# Altium PCB Arribada-PMP-PCB.PcbDoc (part 3 of 3)
Units mm, origin at the board's own origin, x right, y up, seen from the top; angles counter-clockwise.
Board outline 176.52 x 112.75 mm, 2 copper layers (Top Layer, Bottom Layer), stack 1.671 mm thick; 155 components, 107 nets, 633 pads, 984 vias.
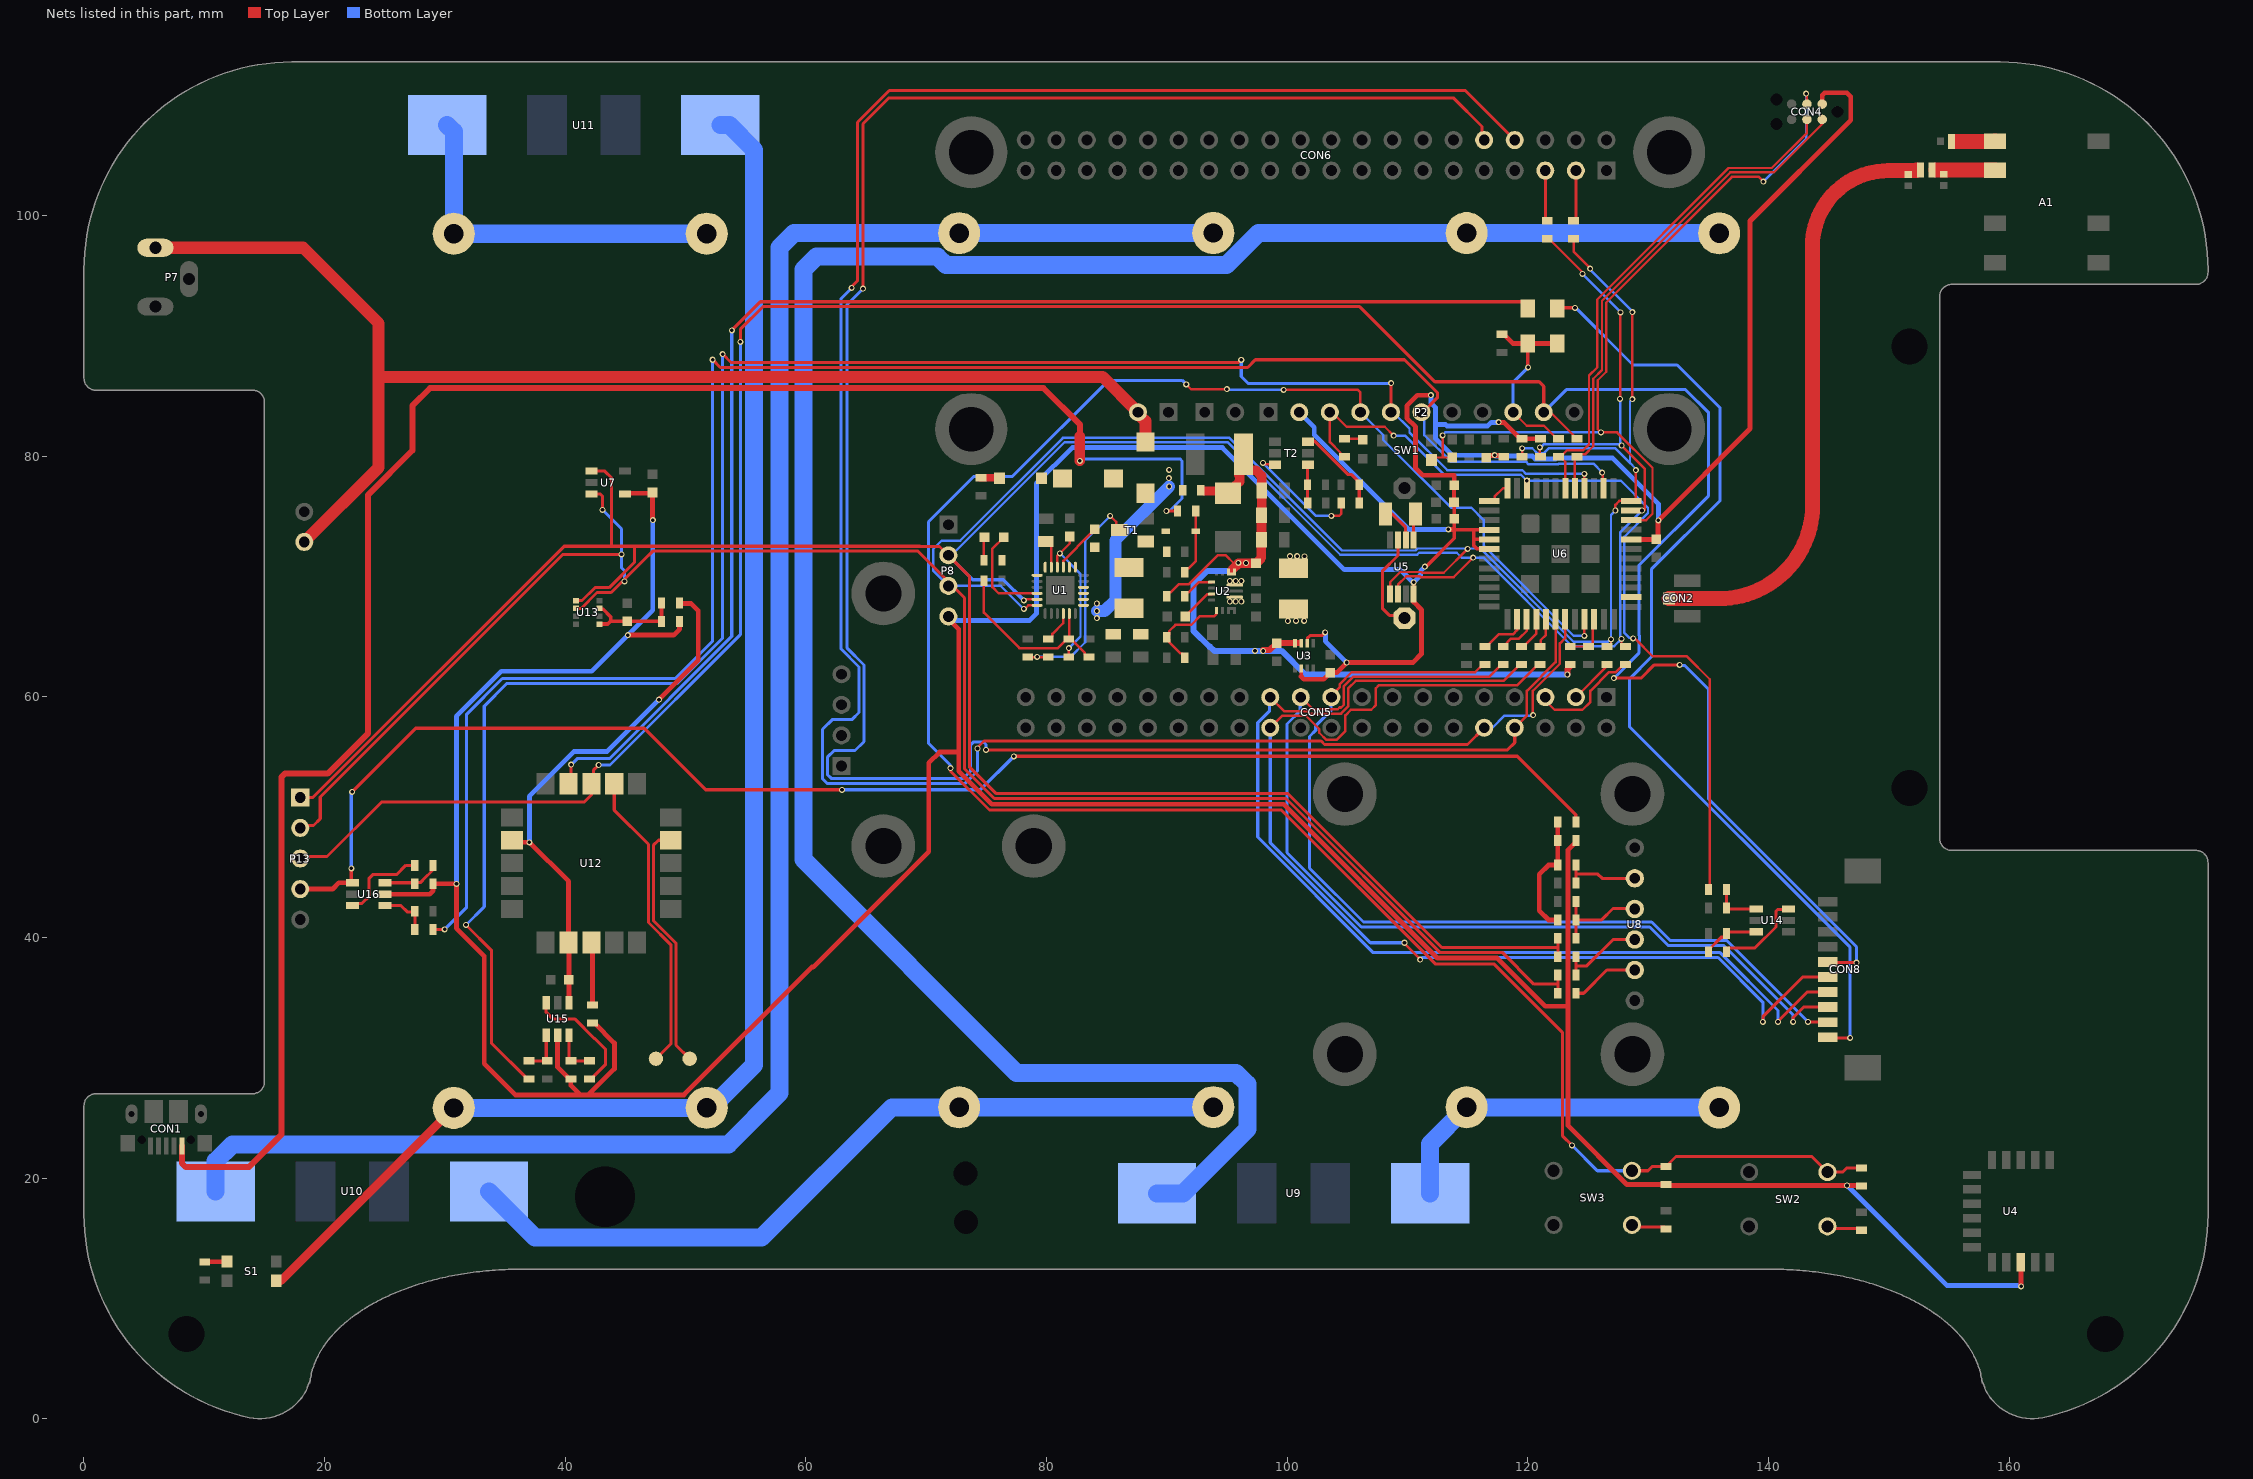
[diagram p3: the nets of this part, all layers, seen from the top]

## Via types
v1: diameter 0.5, hole 0.3, Top Layer to Bottom Layer, tented both sides, 974 vias
v2: diameter 0.7, hole 0.5, Top Layer to Bottom Layer, tented both sides, 10 vias

## Nets (pads, with @x,y where several pads share a name; then routed paths per layer and width w, separated by ;. In a path a pad name is that pad's centre, name@x,y a point inside that pad or via, vN(x,y) a via of type N, cw(c..) or ccw(c..) an arc to the next point about the centre after c; other vN are vias at no path point) (continued)
GPIO_PA5: P2.4 R36.1 R46.1 SW2.4 SW3.4 U6.21 | length 189.1
  Top Layer w0.203: v1(91.606,85.961) 92.006,85.561 v1(94.986,85.561) ; v1(99.706,85.511) 105.868,85.511 106.077,85.302 P2.4@106.077,83.651 ; v1(124.696,65.063) 124.699,65.066 U6.21@124.699,66.432
  Top Layer w0.254: v1(72.015,54.071) 72.015,53.826 75.255,50.586 99.503,50.586 112.286,37.803 117.164,37.803 122.855,32.112 122.855,23.531 v1(123.665,22.721) ; SW3.4@128.641,20.613 129.977,20.613 130.327,20.963 R46.1@131.481,20.963 132.31,21.791 143.593,21.791 SW2.4@144.891,20.493 146.147,20.493 146.497,20.843 R36.1@147.721,20.843
  Bottom Layer w0.203: v1(94.986,85.561) 95.011,85.536 99.681,85.536 v1(99.706,85.511) ; P2.4@106.077,83.651 107.982,81.746 107.982,81.348 113.608,75.721 115.291,75.721 116.315,74.697 116.315,72.56 123.811,65.063 v1(124.696,65.063)
  Bottom Layer w0.254: v1(72.015,54.071) 72.015,54.3 70.186,56.129 70.186,74.545 73.96,78.319 77.17,78.319 85.152,86.302 91.265,86.302 v1(91.606,85.961) ; v1(123.665,22.721) 125.773,20.613 SW3.4@128.641,20.613
GPIO_PB5: P2.5 R50.2 U6.40 | length 159
  Top Layer w0.203: v1(124.687,78.521) 124.697,78.511 124.697,77.346 U6.40@124.707,77.336
  Top Layer w0.254: v1(31.746,41.041) 33.885,38.902 33.885,31.19 36.827,28.248 R50.2@36.977,28.248 ; v1(53.076,88.481) 53.778,87.779 95.953,87.779 v1(96.176,88.001) ; P2.5@108.617,83.651 108.626,83.66 108.626,86.052 v1(108.636,86.061)
  Bottom Layer w0.203: P2.5@108.797,83.651 110.156,82.292 110.156,81.98 113.297,78.839 119.532,78.839 119.85,78.521 v1(124.687,78.521)
  Bottom Layer w0.254: v1(31.746,41.041) 33.266,42.561 33.266,59.222 35.159,61.115 49.299,61.115 53.076,64.892 v1(53.076,88.481) ; v1(96.176,88.001) 96.176,86.611 96.746,86.041 108.615,86.041 v1(108.636,86.061)
GPIO_PB7: P2.6 R52.2 U6.38 | length 149.5
  Top Layer w0.203: v1(126.174,78.626) 126.23,78.569 126.23,77.402 U6.38@126.297,77.336
  Top Layer w0.254: R52.2@28.996,40.661 29.006,40.671 v1(29.976,40.671) ; v1(52.246,88.011) 52.885,87.372 96.705,87.372 97.344,88.011 109.741,88.011 112.467,85.284 112.467,84.846 111.273,83.651 P2.6@111.157,83.651
  Bottom Layer w0.203: P2.6@111.337,83.651 111.402,83.586 111.402,81.74 113.592,79.55 119.827,79.55 120.058,79.319 122.499,79.319 122.56,79.381 125.444,79.381 126.174,78.651 v1(126.174,78.626)
  Bottom Layer w0.254: v1(29.976,40.671) 31.806,42.501 31.806,58.553 34.774,61.521 49.13,61.521 52.246,64.637 v1(52.246,88.011)
GPIO_PH0: P2.3 R16.2 R48.2 U6.46 | length 71.3
  Top Layer w0.203: P2.3@103.537,83.651 103.537,81.161 104.399,80.3 104.399,80.15 104.597,79.951 R16.2@104.747,79.951 ; P2.3@103.717,83.651 104.927,82.441 108.104,82.441 v1(108.842,81.704) ; v1(128.738,64.859) 128.781,64.859 128.809,64.887 128.935,64.761 128.976,64.761 130.376,63.361 133.216,63.361 135.116,61.461 135.116,44.092 R48.2@135.006,43.983
  Bottom Layer w0.203: v1(108.842,81.704) 109.791,81.704 113.029,78.465 119.403,78.465 v1(119.907,77.961) 127.71,77.961 129.981,75.69 129.981,75.272 128.012,73.303 128.012,65.302 128.427,64.887 128.71,64.887 v1(128.738,64.859)
GPS_FET_OUT: C22.1 R64.2 U12.2 U12.17 U15.4 | length 44.7
  Top Layer w0.4: U12.17@35.571,48.081 35.74,47.911 v1(37.016,47.911) 40.271,44.656 U12.2@40.271,39.581 40.316,39.536 U15.4@40.316,34.581 ; v1(47.785,59.771) 51.045,63.031 51.045,67.161 50.455,67.751 49.495,67.751 R64.2@49.495,67.791
  Bottom Layer w0.4: v1(37.016,47.911) 37.016,51.743 40.734,55.461 43.475,55.461 v1(47.785,59.771)
GPS_RX: D8.2 U12.14 | length 112.2
  Top Layer w0.254: U12.14@40.271,52.781 40.486,52.995 v1(40.486,54.361) ; v1(53.836,90.461) 56.206,92.831 119.426,92.831 D8.2@119.986,92.271
  Bottom Layer w0.254: v1(40.486,54.361) 40.985,54.861 43.672,54.861 53.678,64.867 ; 53.717,64.911 53.836,65.029 v1(53.836,90.461)
GPS_TX: CON8.6 P2.10 P13.3 R28.2 U12.13 | length 226.9
  Top Layer w0.203: P2.10@121.317,83.651 121.866,83.651 R28.2@124.076,81.441
  Top Layer w0.254: P13.3@17.974,46.561 18.134,46.721 20.194,46.721 24.735,51.261 41.576,51.261 42.171,51.856 U12.13@42.171,52.781 42.329,52.939 42.329,53.885 v1(42.776,54.331) ; v1(54.546,89.501) 54.546,90.541 56.429,92.425 106.021,92.425 112.265,86.181 120.936,86.181 121.317,85.8 P2.10@121.317,83.651 ; v1(127.146,61.551) 129.399,61.551 130.509,62.661 v1(132.616,62.661) ; CON8.6@144.926,37.966 144.931,37.971 145.001,37.901 v1(147.306,37.901)
  Bottom Layer w0.254: v1(42.776,54.331) 43.717,54.331 54.546,65.159 v1(54.546,89.501) ; P2.10@121.317,83.651 123.196,85.531 133.095,85.531 135.016,83.609 135.016,76.717 129.217,70.918 129.217,65.129 129.267,65.078 129.267,64.64 129.217,64.589 129.217,63.622 v1(127.146,61.551) ; v1(132.616,62.661) 132.663,62.614 133.011,62.614 135.016,60.609 135.016,51.513 147.306,39.224 v1(147.306,37.901)
LORA_ANT: C21.2 CON2.1 L4.2 U6.26 | length 50.1
  Top Layer w1.25: CON2.1@131.738,68.171 135.922,68.171 ccw(c135.922,75.895) 143.646,75.895 143.646,97.441 cw(c149.926,97.441) 149.926,103.721 150.71,103.734 152.295,103.76
MCU_nRST: C15.1 CON4.3 SW1.4 U6.34 | length 66.7
  Top Layer w0.203: SW1.4@111.997,79.681 112.202,79.886 112.962,79.886 ; v1(112.915,81.721) 112.915,79.933 112.962,79.886 ; C15.1@113.722,79.886 112.962,79.886 ; U6.34@128.597,74.676 129.817,74.676 130.353,75.212 130.353,79.033 127.415,81.971 v1(126.076,81.971) 125.806,82.241 125.806,86.309 126.511,87.014 126.511,92.768 136.954,103.211 139.206,103.211 139.586,102.831 v1(139.566,102.811) ; v1(143.125,110.131) 143.182,110.074 143.182,109.959 143.185,109.956 CON4.3@143.185,109.256
  Bottom Layer w0.203: v1(112.915,81.721) 112.915,81.759 113.127,81.971 v1(126.076,81.971) ; v1(139.566,102.811) 143.125,106.371 v1(143.125,110.131)
NetA1_1: A1.1 L5.2 | length 3.2
  Top Layer w1.25: 155.575,106.161 158.808,106.161 A1.1@158.815,106.168
NetA1_2: A1.2 C21.1 L3.2 | length 4.9
  Top Layer w1.25: 153.915,103.768 A1.2@158.815,103.768
NetC1_1: C1.1 U1.23 | length 2.4
  Top Layer w0.203: C1.1@79.937,72.901 80.038,72.901 80.387,72.553 U1.23@80.387,70.776
NetC2_1: C2.1 R3.2 U1.22 | length 12.7
  Top Layer w0.203: U1.22@80.887,70.776 80.887,71.711 v1(81.102,71.926) 81.937,72.761 C2.1@81.937,73.301 ; R3.2@81.837,63.301 81.847,63.311 v1(81.847,64.051)
  Bottom Layer w0.203: v1(81.102,71.926) 82.817,70.211 82.817,65.001 81.867,64.051 v1(81.847,64.051)
NetC3_1: C3.1 L1.1 U1.19 U1.20
NetC3_2: C3.2 U1.21 | length 4.2
  Top Layer w0.203: U1.21@81.387,70.776 81.392,70.782 81.392,71.297 83.698,73.603 83.738,73.603 C3.2@84.037,73.901
NetC4_1: C4.1 C5.1 L1.2 U1.15 U1.16
NetC12_2: C12.2 U2.3 | length 3
  Top Layer w0.203: C12.2@91.487,66.651 91.785,66.95 91.785,66.952 93.34,68.508 93.691,68.508 U2.3@93.714,68.531
NetC23_1: C23.1 R63.2 R64.1 U13.6 U13.8 | length 8.4
  Top Layer w0.3: U13.8@42.83,66.046 43.54,66.046 43.765,66.271 ; U13.6@42.83,67.346 42.905,67.271 43.152,67.271 43.765,66.659 43.765,66.271 ; R64.1@47.995,67.791 R63.2@47.995,66.271 C23.1@45.136,66.271 43.765,66.271
NetCON3_POS: CON3.POS U5.3 | length 8.4
  Top Layer w0.254: U5.3@109.202,73.041 109.202,71.746 107.897,70.441 107.897,67.356 108.488,66.765 109.216,66.765 109.44,66.541 CON3.POS@109.747,66.541
NetCON5_3: CON5.3 R26.1 | length 3.8
  Top Layer w0.203: CON5.3@123.985,59.968 126.567,62.55 R26.1@126.567,62.681
NetCON5_5: CON5.5 R27.1 | length 9.6
  Top Layer w0.203: CON5.5@121.445,59.968 121.445,59.689 122.214,58.92 124.532,58.92 125.187,59.575 125.187,60.489 126.753,62.055 127.321,62.055 127.947,62.681 R27.1@128.097,62.681
  Top Layer w0.254: CON5.5@121.775,60.175 CON5.5@121.775,60.478
NetCON6_3: CON6.3 R34.2 | length 4.3
  Top Layer w0.254: R34.2@123.793,99.562 123.811,99.562 123.984,99.735 CON6.3@123.984,103.731
NetCON6_5: CON6.5 R35.2 | length 4.2
  Top Layer w0.254: CON6.5@121.444,103.731 121.444,99.732 R35.2@121.613,99.562
NetD2_1: D2.1 U1.4 | length 8.5
  Top Layer w0.203: D2.1@76.437,73.251 75.497,72.311 75.497,69.111 76.007,68.601 U1.4@79.212,68.601
NetD2_2: D2.2 R1.2 | length 1.9
  Top Layer w0.203: R1.2@74.787,71.351 74.787,73.201 D2.2@74.837,73.251
NetD3_1: D3.1 D4.2
NetD5_2: D5.2 R12.2 | length 1.5
  Top Layer w0.635: R12.2@74.467,78.211 D5.2@75.967,78.211
NetD6_1: D6.1 R5.1 R10.2 | length 5.6
  Top Layer w0.203: R10.2@91.487,70.351 91.487,70.501 91.685,70.7 91.835,70.7 92.387,71.251 D6.1@92.387,73.751 R5.1@92.387,75.451
NetD6_2: D6.2 R15.2 T1.1
NetD7_2: D7.2 R16.1 | length 1.6
  Top Layer w0.203: R16.1@104.747,81.451 106.197,81.451 D7.2@106.277,81.371
NetL2_1: L2.1 U2.11
  other v1: 95.232,69.621 95.707,69.621 96.182,69.621 101.437,71.671 100.227,71.691 100.817,71.681
NetL2_2: L2.2 U2.9
  other v1: 100.047,66.301 100.727,66.311 101.397,66.311 95.232,67.921 95.707,67.921 96.182,67.921
NetP5_1: P5.1 P6.1 U9.1 | length 185.1
  Bottom Layer w1.5: U9.1@89.176,18.736 91.35,18.736 96.685,24.071 96.685,27.801 95.735,28.751 77.505,28.751 59.786,46.471 59.786,95.502 60.883,96.599 70.915,96.599 71.635,95.879 73.832,95.879 73.84,95.888 94.95,95.888 97.598,98.535 P5.1@114.908,98.535 114.916,98.527 135.886,98.527 P6.1@135.895,98.518
NetP5_2: P5.2 P6.2 U9.4 | length 29.4
  Bottom Layer w1.5: U9.4@111.876,18.736 111.855,18.757 111.855,22.838 P5.2@114.908,25.891 114.916,25.883 135.886,25.883 P6.2@135.895,25.874
NetP9_1: P9.1 P10.1 U10.1 | length 158.5
  Bottom Layer w1.5: U10.1@10.95,18.89 10.95,21.407 12.344,22.801 53.545,22.801 57.816,27.072 57.816,85.332 57.816,97.352 58.995,98.531 P9.1@72.733,98.531 72.737,98.536 93.847,98.536 P10.1@93.851,98.54
NetP9_2: P9.2 P10.2 U10.4 | length 66.3
  Bottom Layer w1.5: U10.4@33.65,18.89 37.491,15.049 56.31,15.049 67.149,25.887 P9.2@72.733,25.887 72.738,25.892 93.847,25.892 P10.2@93.851,25.896
NetP11_1: P11.1 P12.1 U11.1 | length 30.3
  Bottom Layer w1.5: U11.1@30.186,107.517 30.733,106.969 P11.1@30.733,98.481 30.735,98.483 41.246,98.483 51.756,98.483 P12.1@51.758,98.485
NetP11_2: P11.2 P12.2 S1.1 U11.4 | length 125.7
  Top Layer w0.7: S1.1@15.983,11.471 16.367,11.471 P11.2@30.733,25.837
  Bottom Layer w1.5: P11.2@30.733,25.837 30.735,25.839 P12.2@51.756,25.839 ; P12.2@52.652,26.381 55.682,29.412 55.682,86.461 55.701,86.479 55.701,105.452 53.636,107.517 U11.4@52.886,107.517
NetR2_2: R2.2 R3.1 R13.2 U1.11 | length 15.8
  Top Layer w0.203: R2.2@74.787,69.651 74.787,67.001 77.737,64.051 80.937,64.051 81.687,64.801 R3.1@81.837,64.801 R3.1@81.887,64.851 ; U1.11@81.887,66.926 R3.1@81.887,64.851 ; R13.2@83.537,63.301 83.387,63.301 83.188,63.5 83.188,63.65 82.235,64.603 82.135,64.603 R3.1@81.887,64.851
NetR4_1: R4.1 R8.2 U2.5 | length 7.8
  Top Layer w0.203: R8.2@91.487,63.251 91.487,63.401 91.288,63.6 91.138,63.6 90.185,64.553 90.185,64.753 R4.1@89.987,64.951 90.185,65.15 90.185,65.45 90.707,65.971 92.017,65.971 92.747,66.701 93.947,66.701 94.114,66.869 U2.5@94.114,67.181
NetR7_1: R7.1 R14.2 T1.3 | length 19.1
  Top Layer w0.203: R14.2@78.437,63.301 R7.1@80.137,63.301 ; v1(85.287,75.041) 85.791,74.537 85.791,74.097 T1.3@86.037,73.851
  Bottom Layer w0.203: v1(79.217,63.321) 79.197,63.321 79.207,63.311 81.997,63.311 83.217,64.531 83.217,72.971 v1(85.287,75.041)
NetR7_2: R7.2 U1.10 | length 2.7
  Top Layer w0.203: R7.2@80.137,64.801 80.285,64.801 80.484,65 80.484,65.228 81.387,66.131 U1.10@81.387,66.926
NetR9_2: R9.2 U2.1 | length 2.8
  Top Layer w0.203: R9.2@91.487,68.351 91.487,68.501 91.685,68.7 91.835,68.7 92.667,69.531 U2.1@93.714,69.531
NetR17_2: R17.2 R18.1 T2.3 | length 7.4
  Top Layer w0.254: T2.3@101.742,81.181 101.799,81.238 102.28,81.238 105.056,78.462 105.354,78.462 105.977,77.839 R17.2@105.977,77.621 105.982,77.616 105.982,76.106 R18.1@105.987,76.101
NetR18_2: R18.2 T2.6 | length 10.4
  Top Layer w0.203: v1(97.984,79.444) 98.085,79.342 98.931,79.342 T2.6@98.992,79.281 ; v1(103.665,75.041) 104.321,75.041 104.499,75.22 104.499,76.089 R18.2@104.487,76.101
  Bottom Layer w0.203: v1(97.984,79.444) 102.386,75.041 v1(103.665,75.041)
NetR19_1: R19.1 R20.1 T2.1 | length 3.2
  Top Layer w0.254: R19.1@101.697,76.101 101.692,76.106 101.692,77.616 R20.1@101.687,77.621 101.687,79.226 T2.1@101.742,79.281
NetR22_1: R22.1 U1.13 U1.14 | length 13.2
  Bottom Layer w1: v1(84.177,67.131) 84.807,67.131 85.707,68.031 85.707,73.001 v1(90.187,77.481)
  other v1: 84.177,66.531 84.177,67.751 90.167,78.171 90.177,78.861
NetR29_1: R29.1 R32.2 U6.22 | length 4
  Top Layer w0.203: R29.1@123.517,64.181 R32.2@125.037,64.181 125.187,64.181 125.385,64.38 125.385,66.318 U6.22@125.499,66.431
NetR37_1: R37.1 R38.1 R65.1 R66.1 | length 10.3
  Top Layer w0.4: R66.1@122.485,49.591 R65.1@122.485,48.071 122.486,48.07 R37.1@122.487,46.033 R37.1@122.487,46.033 122.477,46.023 121.719,46.023 120.945,45.249 120.945,42.225 121.719,41.451 122.475,41.451 R38.1@122.487,41.463
NetR37_2: R37.2 R39.2 U8.2 | length 6.6
  Top Layer w0.254: R39.2@123.987,44.513 123.987,45.266 ; R37.2@123.987,46.033 123.987,45.266 ; U8.2@128.882,44.914 126.165,44.914 125.813,45.266 123.987,45.266
NetR38_2: R38.2 R41.2 R42.2 U8.3 | length 8.3
  Top Layer w0.254: R42.2@123.987,39.933 R38.2@123.987,41.463 ; R41.2@123.987,42.983 R38.2@123.987,41.463 ; U8.3@128.882,42.374 128.847,42.408 127.068,42.408 126.123,41.463 R38.2@123.987,41.463
NetR40_1: R40.1 SW2.1 | length 3
  Top Layer w0.254: SW2.1@144.891,15.993 145.056,15.828 147.556,15.828 R40.1@147.721,15.663
NetR43_2: R43.2 R44.2 U8.4 | length 7.5
  Top Layer w0.254: R44.2@123.987,36.883 123.987,37.643 ; R43.2@123.987,38.553 R43.2@123.987,38.403 123.987,37.643 ; U8.4@128.882,39.834 127.082,39.834 124.892,37.643 123.987,37.643
NetR45_2: R45.2 U8.5 | length 5.7
  Top Layer w0.254: R45.2@123.987,35.363 124.631,35.363 126.561,37.294 U8.5@128.882,37.294
NetR47_1: R47.1 SW3.1 | length 3
  Top Layer w0.254: SW3.1@128.641,16.113 128.806,15.948 131.316,15.948 R47.1@131.481,15.783
NetR48_1: R48.1 R49.1 U14.1 | length 4
  Top Layer w0.254: R49.1@136.506,42.461 136.596,42.371 U14.1@138.966,42.371 ; R49.1@136.506,42.461 R48.1@136.506,43.983
NetR50_1: R50.1 R51.1 U15.1 | length 3.7
  Top Layer w0.254: R50.1@36.977,29.748 R51.1@38.495,29.748 38.416,29.828 U15.1@38.416,31.881
NetR52_1: R52.1 R53.1 U16.1 | length 4.2
  Top Layer w0.254: U16.1@25.026,42.646 26.351,42.646 26.896,42.101 27.416,42.101 R53.1@27.496,42.181 R52.1@27.496,40.661
NetR54_1: R54.1 R57.2 U14.3 | length 4.8
  Top Layer w0.254: R57.2@135.006,38.811 135.006,38.961 136.063,40.018 136.333,40.018 136.506,40.191 R54.1@136.506,40.341 136.636,40.471 U14.3@138.966,40.471
NetR55_1: R55.1 R58.2 U15.3 | length 3.7
  Top Layer w0.254: U15.3@40.316,31.881 40.316,29.914 R55.1@40.482,29.748 R58.2@42.005,29.748
NetR56_1: R56.1 R59.2 U16.3 | length 4.9
  Top Layer w0.254: U16.3@25.026,44.546 27.411,44.546 R56.1@27.496,44.461 27.586,44.551 27.946,44.551 28.416,45.022 28.416,45.027 28.58,45.191 28.585,45.191 28.996,45.601 R59.2@28.996,45.991
NetR57_1: R57.1 U14.6 | length 7.5
  Top Layer w0.254: R57.1@136.506,38.811 136.506,38.961 136.679,39.134 138.874,39.134 140.616,40.876 140.616,42.181 140.776,42.341 141.636,42.341 U14.6@141.666,42.371
NetR58_1: R58.1 U15.6 | length 10.1
  Top Layer w0.254: U15.6@38.416,34.581 38.415,33.774 38.955,33.234 40.78,33.234 42.408,31.606 42.453,31.606 43.325,30.734 43.325,29.418 42.155,28.248 R58.1@42.005,28.248
NetR59_1: R59.1 U16.6 | length 7.4
  Top Layer w0.254: U16.6@22.326,42.646 22.499,42.819 23.094,42.819 23.706,43.431 23.706,44.931 23.996,45.221 25.976,45.221 26.746,45.991 R59.1@27.496,45.991
NetR60_2: R60.2 U12.3 | length 5.2
  Top Layer w0.4: U12.3@42.171,39.581 42.265,39.486 R60.2@42.265,34.394
NetR62_1: R62.1 S1.4 | length 1.9
  Top Layer w0.4: R62.1@10.055,13.011 R62.1@10.035,13.031 10.055,13.051 11.863,13.051 S1.4@11.883,13.071 S1.4@11.863,13.091
NetTP1_0: TP1.0 U12.12 | length 25.3
  Top Layer w0.254: U12.12@44.071,52.781 44.071,50.576 46.909,47.738 46.909,41.238 48.796,39.351 48.796,31.181 TP1.0@47.536,29.921
NetTP2_0: TP2.0 U12.9 | length 20.6
  Top Layer w0.254: U12.9@48.771,48.081 47.745,48.081 47.316,47.651 47.316,41.406 49.202,39.519 49.202,31.055 TP2.0@50.336,29.921
NetU5_1: U5.1 X1.2 | length 2.2
  Top Layer w0.254: U5.1@110.502,73.041 110.502,75.016 X1.2@110.667,75.181
NetU5_2: U5.2 X1.1 | length 3.2
  Top Layer w0.254: X1.1@108.167,75.181 108.743,75.181 109.838,74.086 109.838,73.055 U5.2@109.852,73.041
NetU6_1: U6.1 U6.48 | length 2.1
  Top Layer w0.203: U6.1@116.797,76.286 117.084,76.286 117.232,76.435 117.232,76.638 117.931,77.336 U6.48@118.297,77.336
ROCK_RX: CON8.1 D9.2 | length 81.9
  Top Layer w0.254: D9.2@122.436,92.271 122.496,92.331 v1(123.916,92.331) ; CON8.1@144.926,31.716 144.991,31.651 v1(146.776,31.651)
  Bottom Layer w0.254: v1(123.916,92.331) 123.976,92.331 128.73,87.577 132.405,87.577 135.975,84.007 135.975,76.32 130.253,70.598 130.253,63.303 128.457,61.507 128.457,57.498 146.776,39.179 v1(146.776,31.651)
RXD: CON5.10 CON6.8 U6.19 | length 187.4
  Top Layer w0.203: v1(120.441,58.475) 120.405,58.511 120.405,60.485 122.663,62.743 122.663,64.437 123.099,64.872 U6.19@123.099,66.431
  Top Layer w0.254: v1(63.805,93.981) 63.852,94.028 63.852,94.138 64.285,94.571 64.285,107.736 66.93,110.381 114.794,110.381 CON6.8@118.904,106.271 ; v1(74.255,55.701) 74.255,55.78 74.796,56.321 102.814,56.321 103.091,56.043 114.98,56.043 CON5.10@116.365,57.428
  Bottom Layer w0.203: CON5.10@116.365,57.428 117.052,57.428 118.056,58.432 120.398,58.432 v1(120.441,58.475)
  Bottom Layer w0.254: v1(63.805,93.981) 62.925,93.101 62.925,63.971 64.415,62.481 64.415,58.69 63.856,58.131 62.215,58.131 61.375,57.291 61.375,53.181 61.75,52.806 73.23,52.806 74.255,53.831 v1(74.255,55.701)
SCL: P8.2 P13.1 R11.1 R27.2 R35.1 R42.1 R43.1 U1.5 U5.6 U6.35 U7.1 U13.4 | length 283.2
  Top Layer w0.203: v1(78.117,68.011) 78.207,68.101 U1.5@79.212,68.101 ; U5.6@109.202,68.541 109.202,69.318 109.899,70.015 111.018,70.015 111.081,69.952 113.837,69.952 v1(115.453,71.567) ; R11.1@120.997,79.979 v1(120.997,80.731) ; R35.1@121.613,98.062 121.763,98.062 124.478,95.347 124.478,95.208 v1(124.535,95.151) ; v1(127.656,84.761) 127.677,84.782 127.677,91.923 v1(127.698,91.944) ; v1(127.776,64.811) 127.776,64.38 127.974,64.181 R27.2@128.097,64.181 ; v1(127.781,80.886) 129.701,78.966 129.701,75.538 129.534,75.538 v1(129.477,75.481)
  Top Layer w0.254: P13.1@17.974,51.641 19.033,51.641 39.904,72.511 43.855,72.511 ; U13.4@40.89,67.996 41.39,67.996 42.465,69.071 43.646,69.071 45.744,71.168 45.744,72.472 45.725,72.491 ; U7.1@42.195,78.756 42.2,78.751 43.285,78.751 43.855,78.181 43.855,72.511 ; R43.1@122.487,38.403 122.487,39.168 ; R42.1@122.487,39.933 122.487,39.168 ; 43.855,72.511 69.48,72.511 69.5,72.491 71.107,72.491 P8.2@71.837,71.761 73.582,70.016 73.582,54.189 75.82,51.951 100.068,51.951 112.851,39.168 122.487,39.168
  Bottom Layer w0.203: P8.2@71.837,71.761 72.099,71.761 81.504,81.166 95.037,81.166 104.401,71.802 110.792,71.802 110.958,71.968 114.089,71.968 114.489,71.567 v1(115.453,71.567) 116.302,71.567 123.665,64.204 127.168,64.204 v1(127.776,64.811) 127.688,64.899 127.688,65.123 127.656,65.155 127.656,73.66 v1(129.477,75.481) ; v1(120.997,80.731) 121.077,80.731 121.344,80.998 v1@127.656,80.998 ; v1(124.535,95.151) 124.535,95.142 127.698,91.979 v1(127.698,91.944) ; v1(127.656,84.761) v1@127.656,80.998 ; v1(127.781,80.886) v1@127.894,80.773 ; v1@127.656,80.998 127.656,80.985 127.669,80.998 v1@127.656,80.998
  Bottom Layer w0.3: P8.2@71.837,71.761 73.858,69.74 76.388,69.74 v1(78.117,68.011)
SDA: P8.3 P13.2 R6.1 R26.2 R34.1 R44.1 R45.1 U1.6 U5.5 U6.36 U7.3 U13.3 | length 290.3
  Top Layer w0.203: v1(78.117,67.311) 78.197,67.311 78.478,67.592 79.203,67.592 U1.6@79.212,67.601 ; U5.5@108.552,68.541 108.555,68.544 108.555,69.531 109.394,70.37 111.165,70.37 111.228,70.307 113.002,70.307 v1(114.986,72.291) ; R6.1@119.514,79.941 v1(119.514,80.651) ; R34.1@123.793,98.062 123.793,97.014 125.165,95.642 v1(125.165,95.576) ; R26.2@126.567,64.181 126.707,64.181 126.906,64.38 v1(126.906,64.771) ; v1(127.273,75.481) 127.273,75.95 127.59,76.267 127.59,76.286 U6.36@127.938,76.286 ; U6.36@128.597,76.286 128.828,76.286 128.977,76.435 v1(128.977,78.839) ; v1(128.676,84.741) v1(128.676,91.962)
  Top Layer w0.254: P13.2@17.974,49.101 18.185,49.311 19.076,49.311 19.635,49.87 19.635,51.668 39.808,71.841 v1(44.675,71.841) ; U13.3@40.89,67.346 41.315,67.346 42.633,68.665 43.815,68.665 46.921,71.771 46.935,71.771 47.269,72.105 69.311,72.105 71.837,69.58 P8.3@71.837,69.221 72.174,69.221 73.176,68.219 73.176,54.021 75.652,51.545 99.9,51.545 112.683,38.762 117.855,38.762 120.493,36.123 122.487,36.123 ; U7.3@42.195,76.856 42.911,76.856 43.095,76.672 v1(43.095,75.541) ; R45.1@122.487,35.363 122.487,36.123 ; R44.1@122.487,36.883 122.487,36.123
  Bottom Layer w0.203: v1(78.117,67.311) 78.104,67.311 76.194,69.221 P8.3@71.837,69.221 70.567,70.491 70.567,72.261 71.277,72.971 72.807,72.971 81.357,81.522 95.184,81.522 104.549,72.157 110.645,72.157 110.811,72.323 116.049,72.323 123.812,64.559 126.614,64.559 126.825,64.771 v1(126.906,64.771) 126.906,75.114 v1(127.273,75.481) ; v1(119.514,80.651) 120.364,80.651 120.788,80.227 121.301,80.227 121.717,80.643 127.273,80.643 128.483,79.433 ; v1(125.165,95.576) 125.165,95.524 128.676,92.014 v1(128.676,91.962) ; v1(128.676,84.741) 128.483,84.548 128.483,79.433 ; v1(128.977,78.839) 128.92,78.896 128.92,78.996 128.5,79.416 128.483,79.433
  Bottom Layer w0.254: v1(43.095,75.541) 44.675,73.961 v1(44.675,71.841) 44.675,70.721 44.925,70.471 v1(44.925,69.601)
SPI_MISO: R23.2 U6.15 | length 3.4
  Top Layer w0.203: R23.2@117.949,64.191 118.594,64.836 119.258,64.836 119.899,65.476 U6.15@119.899,66.431
SPI_MISO*: CON5.21 CON8.3 R23.1 | length 85
  Top Layer w0.203: CON5.21@101.125,59.968 102.129,58.964 104.196,58.964 104.375,59.143 104.439,59.079 104.7,59.34 104.7,60.889 105.494,61.683 115.764,61.683 116.792,61.683 117.799,62.691 R23.1@117.949,62.691
  Top Layer w0.254: v1@142.046,32.901 v1(142.046,32.991) 142.046,33.342 142.921,34.216 CON8.3@144.926,34.216
  Bottom Layer w0.254: CON5.21@101.125,59.968 101.078,59.921 101.078,58.837 99.986,57.745 99.986,47.051 106.161,40.875 130.117,40.875 131.657,39.335 136.272,39.335 142.046,33.56 v1(142.046,32.991)
SPI_MOSI: R21.2 U6.14 | length 4.1
  Top Layer w0.203: R21.2@116.419,64.191 116.569,64.191 117.569,65.191 118.745,65.191 119.099,65.545 U6.14@119.099,66.431
SPI_MOSI*: CON5.19 CON8.2 R21.1 | length 77.4
  Top Layer w0.203: CON5.19@103.665,59.968 103.665,60.1 104.345,60.78 104.345,61.036 105.347,62.039 115.617,62.039 116.269,62.691 R21.1@116.419,62.691
  Top Layer w0.254: v1(143.276,32.991) 144.901,32.991 CON8.2@144.926,32.966
  Bottom Layer w0.254: CON5.19@103.665,59.968 103.618,59.921 103.618,58.837 102.365,57.584 102.365,57.212 101.852,56.7 101.852,45.759 106.329,41.281 130.285,41.281 131.826,39.741 136.526,39.741 v1(143.276,32.991)
SPI_NSS: R31.1 U6.17 | length 2.5
  Top Layer w0.203: R31.1@120.999,64.191 121.057,64.248 121.057,64.701 121.499,65.143 U6.17@121.499,66.431 U6.17@121.472,66.458
SPI_NSS*: CON5.24 CON8.5 R31.2 | length 92.9
  Top Layer w0.203: CON5.24@98.585,57.428 99.589,58.432 101.541,58.432 102.661,57.312 102.661,57.012 103.249,56.424 104.081,56.424 104.827,57.17 104.827,58.461 105.286,58.92 106.976,58.92 107.367,59.311 107.367,60.714 107.625,60.972 119.13,60.972 120.849,62.691 R31.2@120.999,62.691
  Top Layer w0.254: v1(109.746,39.561) 109.746,39.501 111.036,38.211 v1(111.036,38.151) ; v1@139.526,33.131 139.526,33.401 142.841,36.716 CON8.5@144.926,36.716
  Bottom Layer w0.254: CON5.24@98.585,57.428 98.585,47.877 106.9,39.561 v1(109.746,39.561) ; v1(111.036,38.151) 111.22,38.335 135.812,38.335 139.526,34.621 v1(139.526,32.991)
SPI_SCK: R24.2 U6.16 | length 2.8
  Top Layer w0.203: R24.2@119.479,64.191 119.629,64.191 120.699,65.26 U6.16@120.699,66.431
SPI_SCK*: CON5.23 CON8.4 R24.1 | length 91.4
  Top Layer w0.203: CON5.23@98.585,59.968 99.765,58.788 101.688,58.788 101.867,58.608 104.471,58.608 105.056,59.193 105.056,60.696 105.687,61.328 117.966,61.328 119.329,62.691 R24.1@119.479,62.691
  Top Layer w0.254: v1@140.786,33.031 143.236,35.481 144.911,35.481 CON8.4@144.926,35.466
  Bottom Layer w0.254: CON5.23@98.585,59.968 98.538,59.921 98.538,58.837 97.546,57.845 97.546,48.341 107.145,38.741 135.98,38.741 140.786,33.936 v1(140.786,32.991)
SWCLK: CON4.4 R25.1 U6.42 | length 42.3
  Top Layer w0.203: R25.1@122.554,79.941 R25.1@122.704,79.941 ; U6.42@123.107,77.336 123.107,79.539 R25.1@122.704,79.941 ; CON4.4@143.185,107.986 143.185,106.866 140.266,103.947 136.684,103.947 125.757,93.02 125.757,87.37 125.076,86.689 125.076,82.122 125.076,80.97 124.6,80.495 123.521,80.495 123.258,80.495 R25.1@122.704,79.941
SWDIO: CON4.2 R28.1 U6.41 | length 41.7
  Top Layer w0.203: U6.41@123.907,77.336 123.907,79.772 R28.1@124.076,79.941 124.076,80.14 124.748,80.14 125.431,80.823 125.431,86.437 126.156,87.161 126.156,92.916 136.831,103.591 140.445,103.591 144.455,107.601 CON4.2@144.455,107.986
TXD: CON5.8 CON6.10 U6.18 | length 184.2
  Top Layer w0.203: CON5.8@118.905,57.428 119.915,58.438 119.915,60.498 122.299,62.881 U6.18@122.299,66.431
  Top Layer w0.254: v1(64.745,93.921) 64.745,107.621 66.905,109.781 113.805,109.781 116.184,107.402 116.184,106.451 CON6.10@116.364,106.271 ; v1(74.965,55.591) 118.308,55.591 118.905,56.188 CON5.8@118.905,57.428
  Bottom Layer w0.254: v1(64.745,93.921) 63.425,92.601 63.425,64.046 64.821,62.649 64.821,56.275 64.078,55.531 62.345,55.531 61.781,54.968 61.781,53.539 62.096,53.224 62.125,53.224 62.136,53.213 73.062,53.213 73.685,53.836 73.685,56.021 73.894,56.231 74.766,56.231 74.965,56.031 v1(74.965,55.591)
UART1_TX: D8.1 D9.1 P2.9 R25.2 R61.1 | length 15.9
  Top Layer w0.203: P2.9@118.777,83.651 119.907,82.521 121.324,82.521 122.404,81.441 R25.2@122.554,81.441
  Top Layer w0.254: D8.1@119.986,89.371 119.986,87.421 v1(120.026,87.381)
  Top Layer w0.4: R61.1@117.836,90.121 117.986,90.121 118.736,89.371 D8.1@119.986,89.371 D9.1@122.436,89.371
  Bottom Layer w0.254: P2.9@118.777,83.651 118.777,86.132 v1(120.026,87.381)
ULTRA_FET_OUT: P13.4 R66.2 U16.4 | length 122
  Top Layer w0.3: v1(22.215,45.741) 22.215,44.649 U16.4@22.322,44.542 ; v1(22.285,52.101) 27.565,57.381 46.563,57.381 51.673,52.271 v1(62.995,52.271) ; v1(77.282,55.059) 119.117,55.059 123.985,50.191 R66.2@123.985,49.591
  Top Layer w0.4: P13.4@17.974,44.021 20.655,44.021 21.176,44.542 U16.4@22.322,44.542
  Bottom Layer w0.3: v1(22.215,45.741) 22.215,52.031 v1(22.285,52.101) ; v1(62.995,52.271) 74.495,52.271 v1(77.282,55.059)
V_SOLAR: CON7.1 D3.2 P3.2 P7.1 | length 108.9
  Top Layer w1: P7.1@5.935,97.318 18.214,97.318 24.491,91.042 24.491,86.593 ; CON7.1@18.309,72.873 24.491,79.054 24.491,86.593 ; D3.2@88.237,81.176 88.204,81.208 88.204,82.908 87.597,83.516 P3.2@87.597,83.651 84.655,86.593 24.491,86.593
VBAT: C6.2 C7.2 C8.2 C13.2 C20.2 D1.1 F1.1 R9.1 R22.2 R29.2 U2.12 U2.13 U3.7 U3.8 | length 71.8
  Top Layer w0.203: R9.1@89.987,68.351 89.987,68.501 90.185,68.7 90.335,68.7 90.977,69.341 91.787,69.341 94.201,71.755 94.895,71.755 95.554,71.096 v1@95.952,71.096 ; R29.2@123.328,62.671 123.417,62.582 R29.2@123.517,62.681
  Top Layer w0.5: R22.2@92.817,77.161 R22.2@92.817,77.311 ; 95.842,78.401 F1.1@95.842,79.479 ; v1(97.997,63.811) 97.997,63.871 98.519,63.871 C13.2@99.112,64.463 99.118,64.457 U3.7@101.047,64.457 ; v1(123.277,61.853) 123.277,62.292 123.492,62.508 R29.2@123.417,62.582
  Top Layer w0.75: R22.2@93.105,77.091 93.11,77.086 94.872,77.086 D1.1@95.057,76.901
  Top Layer w0.8: D1.1@95.057,76.901 95.247,76.901 95.737,77.391 95.737,77.581 96.038,77.883 96.038,79.823 F1.1@96.367,80.151 ; 95.427,70.571 95.952,71.096 C20.2@97.402,71.096 97.847,71.541 C8.2@97.847,73.041 97.857,73.051 C7.2@97.857,75.091 97.877,75.111 C6.2@97.877,77.141 97.877,78.357 97.408,78.826 96.742,78.826 F1.1@96.367,79.201
  Bottom Layer w0.5: v1(95.937,71.131) 95.267,70.461 93.352,70.461 92.227,69.335 92.227,65.461 93.537,64.151 93.567,64.181 93.937,63.811 v1(97.997,63.811) 99.527,63.811 101.485,61.853 v1(123.277,61.853)
  other v1: 97.316,63.821 96.567,71.121
VBUS: CON1.1 D4.1 D5.1 R1.1 R5.2 U1.1 U1.24 | length 152.9
  Top Layer w0.254: v1(89.957,75.441) 89.967,75.451 R5.2@90.887,75.451
  Top Layer w0.5: CON1.1@8.135,22.676 8.135,21.226 8.428,20.933 13.727,20.933 16.405,23.611 16.405,53.318 16.698,53.611 20.255,53.611 23.615,56.971 23.615,76.786 27.295,80.466 27.295,84.191 28.757,85.654 79.028,85.654 79.743,85.654 82.757,82.64 82.757,81.651
  Top Layer w0.9: v1(82.757,79.611) 82.757,81.651
  Bottom Layer w0.254: v1(82.757,79.611) 82.917,79.771 91.077,79.771 91.247,79.601 91.247,76.481 90.207,75.441 v1(89.957,75.441)
VCC: C14.1 C17.2 C18.2 C19.2 C24.2 C25.2 C26.2 CON4.1 P2.2 P8.4 R6.2 R11.2 R30.2 R36.2 R46.2 R55.2 R56.2 R60.1 R63.1 R65.2 U3.2 U3.6 U4.14 U5.8 U6.4 U6.5 U6.6 U6.32 U7.4 U15.2 U16.2 | length 497.8
  Top Layer w0.25: U3.6@101.647,64.451 101.672,64.476 101.672,64.868 101.882,65.079 102.875,65.079 v1(103.147,65.351)
  Top Layer w0.3: 101.147,61.689 101.147,62.001 ; U5.8@110.502,68.541 U5.8@110.502,68.541 110.503,69.51 v1(110.505,69.511) ; v1@111.347,70.811 v1(111.437,70.811) 111.527,70.811 113.882,73.166 113.882,73.876 ; C17.2@113.737,74.751 C17.2@113.742,74.756 ; C19.2@113.737,76.151 C19.2@113.742,76.146 ; C19.2@113.857,76.161 C18.2@113.857,77.551 ; C17.2@113.862,74.766 C19.2@113.862,76.156 ; U6.6@116.797,72.276 116.781,72.292 115.772,72.292 115.487,72.578 115.487,73.102 ; U6.5@116.797,73.076 116.771,73.102 115.487,73.102 ; U6.4@116.797,73.876 115.567,73.876 ; 113.882,73.876 C17.2@113.882,74.786 113.882,73.876 ; 113.882,73.876 115.567,73.876 ; 115.487,73.102 115.487,73.796 115.567,73.876
  Top Layer w0.4: U16.2@25.026,43.596 28.731,43.596 29.016,43.881 29.016,44.441 R56.2@28.996,44.461 v1(30.956,44.461) 30.956,40.761 33.261,38.456 33.261,29.506 35.853,26.914 41.245,26.914 ; U15.2@39.366,31.881 39.366,29.214 40.332,28.248 R55.2@40.482,28.248 40.455,28.222 40.455,27.704 41.245,26.914 ; R60.1@42.265,32.894 42.415,32.894 44.085,31.224 44.085,29.08 41.92,26.914 ; U7.4@44.945,76.856 45.007,76.919 47.183,76.919 C25.2@47.245,76.981 ; v1(45.195,65.13) 49.004,65.13 49.495,65.621 R63.1@49.495,66.271 ; C25.2@47.258,76.981 47.258,74.699 v1(47.275,74.681) ; P8.4@71.837,66.681 71.837,66.491 72.696,65.632 72.696,55.401 ; 101.147,61.689 101.381,61.455 103.031,61.455 C14.1@103.584,62.008 104.1,62.008 v1(104.941,62.848) 110.44,62.848 111.157,63.565 111.157,67.231 110.502,67.886 U5.8@110.502,68.541 ; P2.2@101.177,83.651 P2.2@101.177,84.041 ; v1@111.894,85.109 v1(111.938,85.065) 110.82,85.065 109.946,84.191 109.946,83.152 110.667,82.431 110.667,79.009 111.271,78.405 113.882,78.405 C18.2@113.882,77.576 ; v1(113.386,73.911) 113.405,73.892 113.866,73.892 113.882,73.876 ; C24.2@116.532,79.876 116.718,80.062 117.213,80.062 v1(117.232,80.081) 117.259,80.081 117.299,80.041 117.887,80.041 R30.2@117.987,79.941 ; v1(117.569,82.825) 117.589,82.805 118,82.805 119.364,81.441 R6.2@119.514,81.441 R11.2@121.034,81.441 ; R65.2@123.985,48.071 123.985,47.921 123.335,47.271 123.335,34.281 ; U6.32@128.597,73.086 128.604,73.079 130.319,73.079 C26.2@130.327,73.071 ; C26.2@130.675,73.101 130.816,73.242 130.816,74.632 138.456,82.272 138.456,99.542 146.825,107.911 146.825,109.881 146.505,110.201 144.655,110.201 144.455,110.001 CON4.1@144.455,109.256 ; R36.2@147.721,19.343 147.673,19.39 v1(146.516,19.39) 131.553,19.39 R46.2@131.481,19.463 128.232,19.463 123.335,24.36 123.335,34.281 ; U4.14@160.966,13.009 160.981,12.994 160.981,11.024 v1(160.996,11.009) ; 41.245,26.914 41.92,26.914 ; 41.92,26.914 49.858,26.914 60.476,37.532 60.614,37.532 70.203,47.121 70.203,54.502 71.103,55.401 72.696,55.401 ; 72.696,55.401 72.696,53.823 75.453,51.065 99.701,51.065 112.484,38.283 117.434,38.283 121.436,34.281 123.335,34.281
  Bottom Layer w0.4: v1(30.956,44.461) 30.956,58.381 34.695,62.12 42.185,62.12 v1(45.195,65.13) 47.275,67.211 v1(47.275,74.681) ; P8.4@71.837,66.681 72.167,66.351 78.597,66.351 79.157,66.911 79.157,77.741 82.127,80.712 94.609,80.712 104.745,70.576 109.379,70.576 109.827,70.129 110.445,69.511 v1(110.505,69.511) 110.505,69.538 111.09,70.123 111.09,70.464 v1(111.437,70.811) ; P2.2@100.997,83.651 102.246,82.402 102.246,81.761 110.096,73.911 v1(113.386,73.911) ; v1(103.147,65.351) 103.166,65.332 103.166,64.623 v1(104.941,62.848) ; v1(111.938,85.065) 111.957,85.046 111.957,84.41 112.316,84.051 112.316,82.618 ; v1(117.569,82.825) 117.55,82.805 116.95,82.805 116.657,82.512 113.277,82.512 113.171,82.618 112.316,82.618 ; v1(130.835,74.661) 130.841,74.667 130.841,76.046 127.053,79.835 122.372,79.835 122.311,79.773 120.6,79.773 120.369,80.004 117.31,80.004 v1(117.232,80.081) 113.703,80.081 112.312,81.471 112.312,82.614 112.316,82.618 ; v1(146.516,19.39) 154.825,11.081 v1@160.926,11.081
pads on no net: A1.3 A1.4 A1.5 A1.6 A1.7 CON1. CON1.2 CON1.3 CON1.4 CON4.0 CON5.1 CON5.7 CON5.11 CON5.12 CON5.13 CON5.15 CON5.16 CON5.17 CON5.18 CON5.22 CON5.27 CON5.28 CON5.31 CON5.32 CON5.33 CON5.35 CON5.36 CON5.37 CON5.38 CON5.40 CON6.1 CON6.7 CON6.11 CON6.12 CON6.13 CON6.15 CON6.16 CON6.17 CON6.18 CON6.19 CON6.21 CON6.22 CON6.23 CON6.24 CON6.26 CON6.27 CON6.28 CON6.31 CON6.33 CON6.35 CON6.36 CON6.37 CON6.38 CON6.40 CON8. S1.2 S1.3 SW1.2 SW1.3 SW2.2 SW2.3 SW3.2 SW3.3 U1.3 U1.7 U1.12 U2.2 U2.6 U3.3 U3.4 U3.5 U4.1 U4.3 U4.4 U4.5 U4.9 U4.11 U4.12 U4.15 U4.16 U5.7 U6.8 U6.9 U6.10 U6.11 U6.12 U6.13 U6.28 U6.29 U6.30 U6.31 U6.47 U7.5 U12.7 U12.8 U12.18 U12.19 U13.2 U13.5
copper on no net:
  other v1: 114.832,74.547 118.16,75.808

## Polygon pours and split planes (outlines as drawn)
GND on Top Layer "Top Layer-GND" (solid, remove dead copper, pour order 46): 535 vertices, not listed, extent 0.099,0.079 176.619,112.825
NetD6_2 on Top Layer "NetD6_2" (solid, remove dead copper, pour order 42): 90.237,71.351 90.237,73.951 89.537,73.951 89.537,73.351 87.637,73.351 87.637,72.451 89.637,72.451 89.637,71.351
NetC4_1 on Top Layer "NetC4_1" (solid, remove dead copper, pour order 40): 83.062,68.481 84.607,68.481 84.837,68.251 84.937,68.151 84.937,64.751 88.437,64.751 88.437,66.151 88.037,66.551 88.037,68.751 85.637,68.751 85.137,69.251 83.062,69.251
NetC3_1 on Top Layer "NetC3_1" (solid, remove dead copper, pour order 38): 81.837,70.451 85.637,70.451 85.637,69.951 88.037,69.951 88.037,71.551 84.837,71.551 84.437,71.951 84.437,72.751 83.337,72.751 81.837,71.251
VBUS on Top Layer "VBUS_L01_P036" (solid, remove dead copper, pour order 36): 79.957,70.451 79.757,70.451 79.557,70.251 79.557,70.051 77.357,70.051 76.457,70.951 75.957,70.951 75.957,71.751 77.657,71.751 77.657,77.251 79.357,78.951 82.307,78.951 82.307,81.651 82.657,81.651 82.657,80.251 83.157,79.751 83.157,77.451 79.657,77.451 78.657,76.451 78.657,72.351 79.957,71.051
GND on Bottom Layer "Bottom Layer-GND" (solid, remove dead copper, pour order 47): 535 vertices, not listed, extent 0,0.012 176.52,112.758

## Keep-outs
Keep-Out Layer:
  drawing of 1856 lines, arcs and shapes, not listed

## Other copper
Top Layer:
  region net GND: 85.067,70.071 82.197,70.071 82.197,69.641 85.067,69.641
  region net GND: 85.077,70.271 83.717,70.271 83.717,69.441 85.077,69.441
  rectangle net NetL2_1: 94.957,69.171 96.432,69.871
  region net NetL2_2: 96.432,68.271 94.957,68.271 94.957,67.671 96.432,67.671
  region net GND: 94.788,69.621 94.207,69.621 94.207,67.896 94.788,67.896
  region net NetL2_1: 101.727,72.071 99.337,72.071 99.337,71.201 101.727,71.201
  region net NetL2_2: 101.727,66.891 99.327,66.891 99.327,66.031 101.727,66.031
  region net VBAT: 98.247,64.121 97.047,64.121 97.047,63.521 98.247,63.521
  region net GND: 101.707,69.721 98.267,69.721 98.267,68.276 101.707,68.276
  pour cut-out: 163.605,0.511 163.605,47.233 175.513,47.233 cw(c175.513,46.226) 176.52,46.226 176.52,13.323 cw(c163.708,13.323)
  pour cut-out: 39.65,69.448 39.65,64.919 44.735,64.919 44.735,69.499
  pour cut-out: 157.585,94.171 157.585,107.271 176.52,107.271 176.52,94.275
  pour cut-out: 163.715,26.381
  region net LORA_ANT: 129.135,68.497 131.736,68.791 131.736,67.551 129.135,68.098
  region net NetR22_1: 83.062,67.483 83.062,68.221 84.417,68.221 84.677,67.961 84.677,66.261 84.687,66.251 83.627,66.251 83.627,67.406 83.547,67.486
  region net NetD3_1: 88.967,76.141 86.037,76.141 84.767,77.411 84.767,78.901 87.787,78.901 88.967,77.721
  region net NetR22_1: 91.607,76.711 89.917,76.711 89.507,77.121 89.507,79.341 90.817,79.341 90.827,79.331 90.827,78.091 91.317,77.601 91.617,77.601
  region: 98.992,80.231
  region net GND: 95.907,68.646 95.907,68.896 96.782,68.896 97.032,69.146 97.032,69.946 99.137,69.946 99.137,67.721 97.822,67.721 97.032,67.721 97.032,68.421 96.807,68.646
  region: 130.417,63.381
  region: 97.295,246.068
Bottom Layer:
  region net NetR22_1: 90.827,79.351 89.507,79.351 89.507,76.711 90.827,76.711
  region net NetR22_1: 84.677,68.231 83.627,68.231 83.627,66.251 84.677,66.251
  region net VBAT: 96.877,71.511 95.567,71.511 95.567,70.721 96.877,70.721
  region net VBAT: 98.237,64.121 97.037,64.121 97.037,63.521 98.237,63.521
  pour cut-out: 39.615,69.411 39.615,64.882 44.745,64.882 44.745,69.462
  pour cut-out: 157.585,94.171 157.585,107.261 176.52,107.261 176.52,94.269
  pour cut-out: 163.645,0.471 163.605,0.511 163.605,47.233 176.52,47.233 176.52,0.368
  region net NetL2_2: 94.957,68.371 94.957,67.671 96.482,67.671 98.107,66.046 101.832,66.046 101.832,66.771 101.857,66.796 100.557,68.096 97.382,68.096 97.107,68.371
  region net NetL2_1: 94.957,69.171 94.957,69.871 96.482,69.871 98.682,72.071 101.832,72.071 101.832,70.771 101.857,70.746 101.007,69.896 97.832,69.896 97.107,69.171

## Silkscreen, mask and mechanical layers (free items; w line width, h text height)
Top Overlay:
  drawing of 1137 lines, arcs and shapes, not listed
  text "LoRa antenna" at 150.166,110.381 h1.2
  text "Raspberry Pi Zero" at 70.486,110.361 h1.2
  text "Solar charge" at 14.816,110.211 h1.2
  text "Serial number" at 32.506,110.211 h1.2
  text "Tag connect" at 137.285,95.511 h1.1
  text "Arribada PMP" at 34.175,87.071 h2.8
  text "-" at 93.407,85.827 h1 r180
  text "-" at 88.563,84.981 h1 r90
  text "-" at 93.603,84.951 h1 r90
  text "-" at 89.827,84.905 h1
  text "-" at 95.687,84.861 h1
  text "-" at 87.687,84.855 h1
  text "V1.1" at 34.095,83.221 h2.8
  text "+" at 85.382,83.127 h1
  text "EEPROM" at 32.715,79.901 h1.2
  text "ROCK BLOCK or LACUNA" at 137.375,79.161 h1.2 r270
  text "-" at 24.345,75.081 h1.4 r90
  text "+" at 23.265,72.051 h1.4
  text "Microclimate sensor" at 33.285,71.981 h1.2
  text "Raspberry Pi camera" at 57.926,67.611 h1.2 r270
  text "Ultrasonic" at 17.196,60.191 h1.2
  text "GPS sensor" at 31.896,60.081 h1.2
  text "sensor" at 17.096,58.491 h1.2
  text "PIRA SMART" at 70.546,51.861 h1.2
  text "Display" at 100.216,34.961 h1.2 r270
  text "Bluetooth" at 154.955,24.371 h1.2
  text "Button 1" at 121.165,23.261 h1.4
  text "Button 2" at 137.615,23.261 h1.4
  text "Hex key" at 41.795,22.821 h1.2
  text "Battery" at 18.665,21.201 h1.4
  text "activate" at 18.035,19.071 h1.4
  text "USB" at 4.575,18.671 h1.4
Bottom Overlay:
  region: 122.537,71.141 114.917,71.141 114.917,68.001 122.537,68.001
  lines w0.1: 104.907,79.341 105.657,79.341
  lines w0.2: 84.867,81.551 84.867,81.811 85.887,82.831 ; 91.987,80.901 92.427,80.901 92.977,81.452 92.977,81.461 ; 108.977,75.521 110.587,75.521 ; 109.007,64.271 110.617,64.271 ; 109.832,63.491 109.832,65.101 ; 86.327,82.381 91.407,82.381 91.407,84.921 86.327,84.921 86.327,82.381 ; 91.867,82.381 91.867,84.921 96.947,84.921 96.947,82.381 91.867,82.381
  text "USB" at 79.921,84.397 h1 r180
  text "5V" at 99.297,82.651 h0.8 r180
  text "3V" at 102.267,82.651 h0.8 r90
  text "-" at 95.277,82.491 h1 r180
  text "+" at 92.907,82.321 h1 r180
  text "+" at 87.357,82.261 h1 r180
  text "-" at 89.657,82.241 h1 r180
  text "PH0" at 104.237,82.191 h0.8 r90
  text "PA5" at 106.877,82.191 h0.8 r90
  text "PB5" at 109.317,82.191 h0.8 r90
  text "PB7" at 111.637,82.191 h0.8 r90
  text "BLE RX" at 114.257,82.191 h0.8 r90
  text "BLE TX" at 116.687,82.191 h0.8 r90
  text "UART1 TX" at 119.317,82.191 h0.8 r90
  text "UART1 RX" at 121.937,82.191 h0.8 r90
  text "GND" at 124.566,82.191 h0.8 r90
  text "BAT" at 89.167,81.231 h1 r180
  text "SOLAR" at 83.607,81.211 h1 r180
  text "irnas.eu" at 71.877,78.121 h2 r180
  text "GND" at 73.497,74.891 h0.8 r180
  text "CERN OHL" at 110.257,72.961 h1.5 r180
  text "SCL" at 73.517,72.061 h0.8 r180
  text "No." at 110.237,70.471 h2 r180
  text ".Version" at 77.907,70.231 h2 r180
  text "SDA" at 73.657,69.731 h0.8 r180
  text "3V" at 73.567,67.334 h0.8 r180
  text "Smart" at 77.847,67.334 h2 r180
  text "PiRA" at 77.847,64.361 h2 r180
Mechanical 1:
  drawing of 268 lines, arcs and shapes, not listed

## Text inside footprints (layer, text, board x,y; h text height)
CON5: Top Assembly "1" at 129.065,60.476 h1.27 r180; Top Assembly "2" at 129.065,57.936 h1.27 r180; Top Assembly "39" at 76.233,60.476 h1.27 r180; Top Assembly "40" at 76.233,57.936 h1.27 r180; Top Overlay "1" at 122.487,53.961 h0 r172.41; Top Overlay "40" at 78.237,54.271 h0 r180; Top Overlay "39" at 75.127,53.821 h0 r180
CON6: Bottom Assembly "40" at 76.232,105.763 h1.27; Bottom Assembly "39" at 76.232,103.223 h1.27; Bottom Assembly "2" at 129.064,105.763 h1.27; Bottom Assembly "1" at 129.064,103.223 h1.27
U9: Bottom Overlay "B+" at 87.199,15.441 h1.5 r180; Bottom Overlay "B-" at 110.845,15.441 h1.5 r180; Bottom Overlay "P+" at 95.998,15.441 h1.5 r180; Bottom Overlay "P-" at 102.309,15.441 h1.5 r180
U10: Bottom Overlay "B+" at 8.816,15.271 h1.5 r180; Bottom Overlay "B-" at 31.806,15.271 h1.5 r180; Bottom Overlay "P+" at 17.876,15.271 h1.5 r180; Bottom Overlay "P-" at 24.336,15.271 h1.5 r180
U11: Bottom Overlay "B+" at 28.986,112.761 h1.5 r180; Bottom Overlay "B-" at 52.256,112.761 h1.5 r180; Bottom Overlay "P+" at 37.316,112.761 h1.5 r180; Bottom Overlay "P-" at 43.756,112.761 h1.5 r180
?: Top Overlay "Designed by irnas.eu" at 48.12,92.521 h0.8 r90; Top Overlay "SER. No." at 36.48,102.671 h1